# KiCad board panel-hacker-14-black.kicad_pcb (continued)
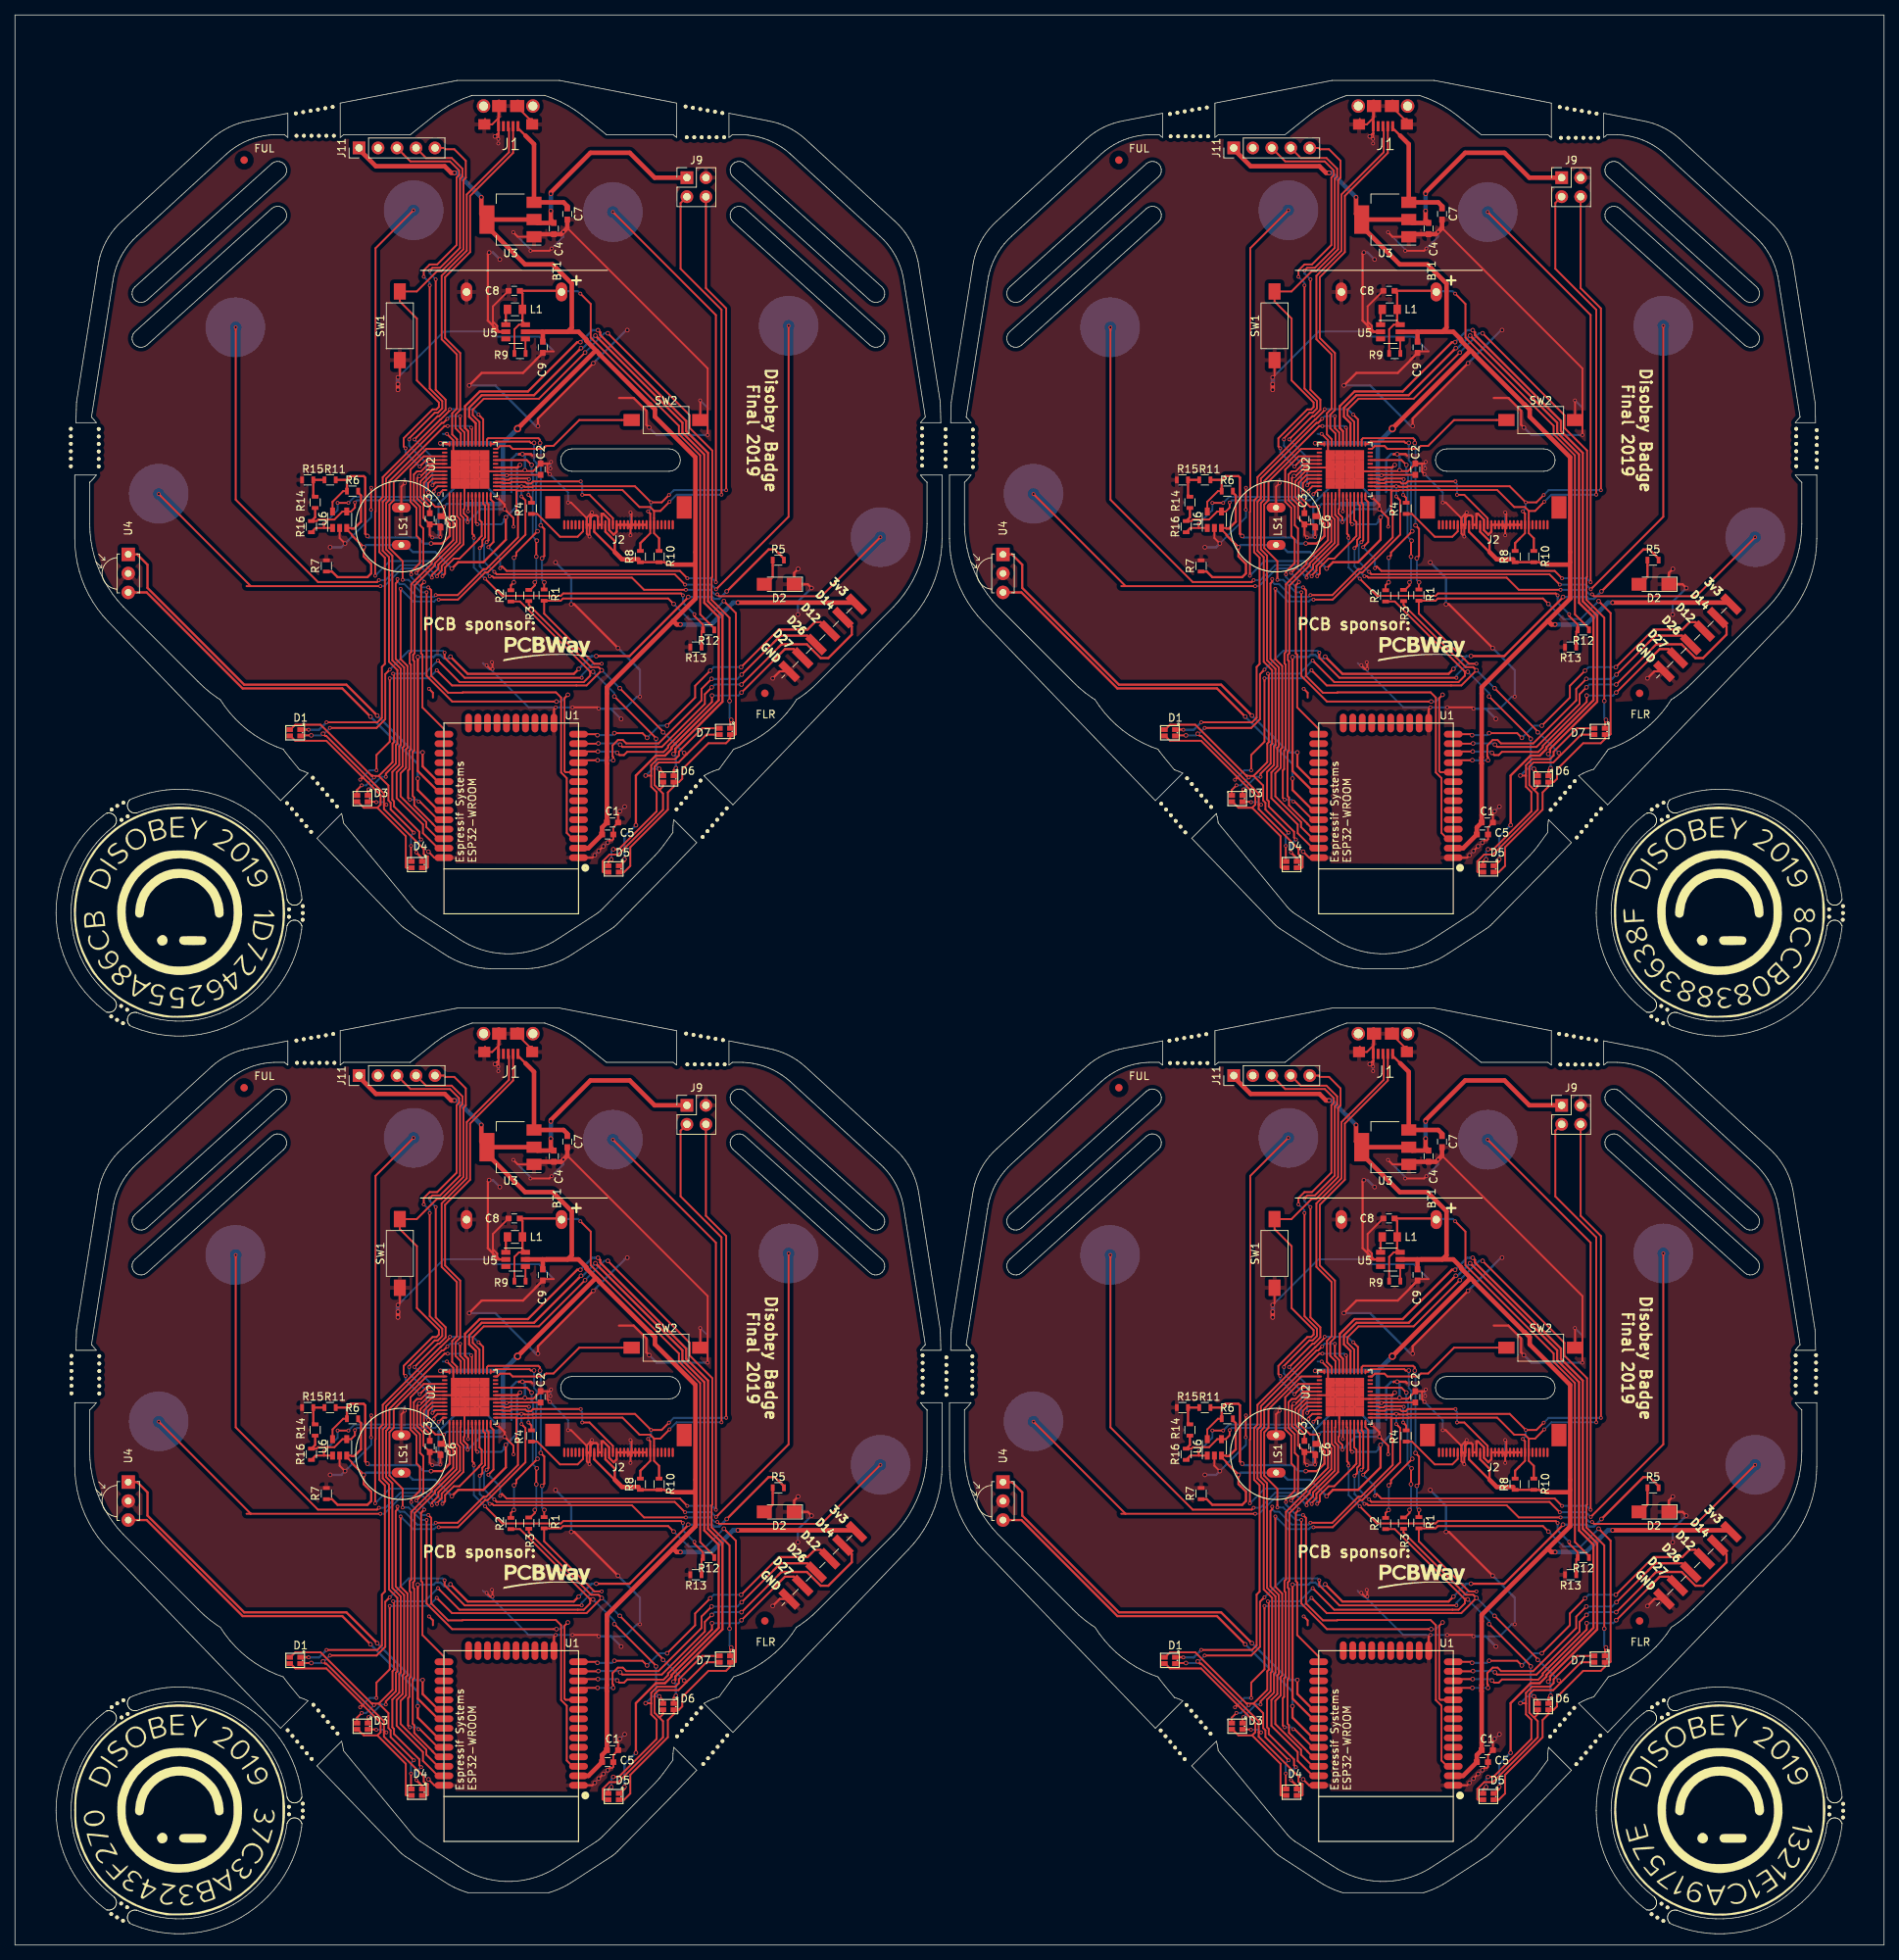
[diagram p0: board, top side]
## Routing (per net, layer and track width the routed paths; a pad name or vN(x,y) marks a point on that pad's centre or on a via; arc(x,y) is an arc through that point) (continued)
GND: length 1704.8
  Top w0.25: 175.95,196.61 175.95,197.89 ; 175.95,197.89 179.42,197.89 179.81,197.5 179.81,196.61 ; 175.95,197.89 178.52,197.89 179.81,197.89 179.81,199.18 178.52,199.18 177.24,199.18 175.95,199.18 175.95,197.89 ; 58.95,72.61 58.95,73.89 ; 58.95,73.89 62.42,73.89 62.81,73.5 62.81,72.61 ; 58.95,73.89 61.52,73.89 62.81,73.89 62.81,75.18 61.52,75.18 60.24,75.18 58.95,75.18 58.95,73.89 ; 175.95,72.61 175.95,73.89 ; 175.95,73.89 179.42,73.89 179.81,73.5 179.81,72.61 ; 175.95,73.89 178.52,73.89 179.81,73.89 179.81,75.18 178.52,75.18 177.24,75.18 175.95,75.18 175.95,73.89 ; 179.81,195.32 178.52,196.61 178.52,195.32 177.24,195.32 175.95,195.32 ; 62.81,71.32 61.52,72.61 61.52,71.32 60.24,71.32 58.95,71.32 ; 179.81,71.32 178.52,72.61 178.52,71.32 177.24,71.32 175.95,71.32 ; v1(164.63,191.88) 164.63,194.78 v1(164.65,194.8) ; v1(47.63,67.88) 47.63,70.77 v1(47.65,70.8) ; v1(164.63,67.88) 164.63,70.77 v1(164.65,70.8) ; C3#2.2 172.48,189.92 171.63,190.78 171.63,192.53 170.8,193.36 170.8,196.09 v2(171.08,196.37) 171.33,196.37 172.46,197.5 176.34,197.5 177.24,196.61 ; C3#2.2 172.48,188.5 v1(172.83,188.15) ; C3#2.2 174.03,189.9 174.08,189.85 173.9,189.67 v1(173.9,188.22) ; C3#3.2 55.48,65.92 54.63,66.78 54.63,68.53 53.8,69.36 53.8,72.09 v2(54.08,72.37) 54.33,72.37 55.46,73.5 U2#3.42 59.34,73.5 60.24,72.61 ; C3#3.2 55.48,64.5 v1(55.83,64.15) ; C3#3.2 57.03,65.9 57.08,65.85 56.9,65.67 v1(56.9,64.22) ; C3#4.2 172.48,65.92 171.63,66.78 171.63,68.53 170.8,69.36 170.8,72.09 v2(171.08,72.37) 171.33,72.37 172.46,73.5 U2#4.42 176.34,73.5 177.24,72.61 ; C3#4.2 172.48,64.5 v1(172.83,64.15) ; C3#4.2 174.03,65.9 174.08,65.85 173.9,65.67 v1(173.9,64.22) ; v1(183.68,189.6) 183.68,190.75 182.8,191.63 182.8,191.65 v2(182.5,191.95) ; v1(66.68,65.6) 66.68,66.75 65.8,67.63 65.8,67.65 v2(65.5,67.95) ; v1(183.68,65.6) 183.68,66.75 182.8,67.63 182.8,67.65 v2(182.5,67.95) ; v1(177.55,190.2) 177.55,190.84 177.03,191.36 177.03,191.91 177.13,192.01 U2#2.5 177.13,195.61 177.24,195.71 177.24,196.61 ; v1(60.55,66.2) 60.55,66.84 60.03,67.36 60.03,67.91 60.13,68.01 U2#3.5 60.13,71.61 60.24,71.71 60.24,72.61 ; v1(177.55,66.2) 177.55,66.84 177.03,67.36 177.03,67.91 177.13,68.01 U2#4.5 177.13,71.61 177.24,71.71 177.24,72.61 ; LS1#2.2 168.68,194.95 v1(169.15,195.42) ; LS1#3.2 51.68,70.95 v1(52.15,71.42) ; LS1#4.2 168.68,70.95 v1(169.15,71.42) ; U6#2.2 160.43,188.07 v2(161.15,187.35) ; U6#3.2 43.43,64.07 v2(44.15,63.35) ; U6#4.2 160.43,64.07 v2(161.15,63.35) ; C8#2.2 183,221.12 180.93,219.05 180.93,216.12 181.4,215.65 U5#2.2 181.8,215.65 181.5,215.94 181.5,216.44 180.99,216.95 ; C8#3.2 66,97.12 63.93,95.05 63.93,92.12 64.4,91.65 U5#3.2 64.8,91.65 64.5,91.94 64.5,92.44 63.99,92.95 ; C8#4.2 183,97.12 180.93,95.05 180.93,92.12 181.4,91.65 U5#4.2 181.8,91.65 181.5,91.94 181.5,92.44 180.99,92.95 ; 184.06,245.83 185.79,244.1 186.18,244.1 ; 67.06,121.83 68.79,120.1 69.18,120.1 ; 184.06,121.83 185.79,120.1 186.18,120.1 ; 179.84,243.06 179.88,243.1 179.88,244.1 ; 62.84,119.06 62.88,119.1 62.88,120.1 ; 179.84,119.06 179.88,119.1 179.88,120.1 ; J1#2.5 180.83,243.38 181.78,244.32 J1#2.5 181.68,245.72 J1#2.5 ; J1#3.5 63.83,119.38 64.78,120.32 J1#3.5 64.68,121.72 J1#3.5 ; J1#4.5 180.83,119.38 181.78,120.32 J1#4.5 181.68,121.72 J1#4.5 ; 181.6,242.08 181.52,242.08 v2(181.21,241.76) 181.31,241.76 v1(181.65,241.43) 181.68,241.45 181.68,246.45 181.78,246.55 181.63,246.55 ; 181.6,242.08 181.65,242.12 181.68,242.12 ; 181.6,242.08 181.7,242.18 181.7,242.27 ; 64.6,118.08 64.52,118.08 v2(64.21,117.76) 64.31,117.76 v1(64.65,117.42) 64.68,117.45 64.68,122.45 64.78,122.55 64.63,122.55 ; 64.6,118.08 64.65,118.12 64.68,118.12 ; 64.6,118.08 64.7,118.18 64.7,118.27 ; 181.6,118.08 181.52,118.08 v2(181.21,117.76) 181.31,117.76 v1(181.65,117.42) 181.68,117.45 181.68,122.45 181.78,122.55 181.63,122.55 ; 181.6,118.08 181.65,118.12 181.68,118.12 ; 181.6,118.08 181.7,118.18 181.7,118.27 ; v1(188.7,198.26) 188.45,198.01 188.22,198.01 188.2,198.03 ; v1(71.7,74.26) 71.45,74.01 71.22,74.01 71.2,74.02 ; v1(188.7,74.26) 188.45,74.01 188.22,74.01 188.2,74.02 ; 188.2,198.03 188.2,196.95 v1(188.53,196.62) ; 188.2,198.03 C2#2.2 187.3,198 186.33,197.02 181.9,197.02 181.88,197 U2#2.18 177.63,197 177.24,196.61 ; 71.2,74.02 71.2,72.95 v1(71.53,72.62) ; 71.2,74.02 C2#3.2 70.3,74 69.33,73.02 64.9,73.02 64.88,73 U2#3.18 60.63,73 60.24,72.61 ; 188.2,74.02 188.2,72.95 v1(188.53,72.62) ; 188.2,74.02 C2#4.2 187.3,74 186.33,73.02 181.9,73.02 181.88,73 U2#4.18 177.63,73 177.24,72.61 ; v1(174.78,202) 175.63,201.15 U2#2.35 175.63,198.61 176.34,197.89 177.24,197.89 ; v1(57.78,78) 58.63,77.15 U2#3.35 58.63,74.61 59.34,73.89 60.24,73.89 ; v1(174.78,78) 175.63,77.15 U2#4.35 175.63,74.61 176.34,73.89 177.24,73.89 ; v1(180.08,171.07) 180.58,170.57 v1(180.88,170.57) 180.88,171.4 v1(180.8,171.47) ; v1(63.08,47.07) 63.58,46.57 v1(63.88,46.57) 63.88,47.4 v1(63.8,47.47) ; v1(180.08,47.07) 180.58,46.57 v1(180.88,46.57) 180.88,47.4 v1(180.8,47.47) ; v1(191.58,165.45) 194.9,165.45 v1(195.08,165.28) ; v1(74.58,41.45) 77.9,41.45 v1(78.08,41.28) ; v1(191.58,41.45) 194.9,41.45 v1(195.08,41.28) ; U1#2.15 189.09,165.22 v1(189.33,165.45) ; U1#3.15 72.09,41.22 v1(72.33,41.45) ; U1#4.15 189.09,41.22 v1(189.33,41.45) ; 184.18,246.55 184.33,246.55 ; 67.18,122.55 67.33,122.55 ; 184.18,122.55 184.33,122.55 ; v1(190.98,192.82) 191.38,192.82 193.48,190.72 J2#2.7 ; v1(73.98,68.82) 74.38,68.82 76.48,66.72 J2#3.7 ; v1(190.98,68.82) 191.38,68.82 193.48,66.72 J2#4.7 ; J2#2.7 193.48,190.8 v1(194.18,191.5) 193.98,191.3 J2#2.8 ; J2#2.7 193.48,188.65 v1(193.85,188.28) 193.85,189.7 193.7,189.85 ; J2#3.7 76.48,66.8 v1(77.18,67.5) 76.98,67.3 J2#3.8 ; J2#3.7 76.48,64.65 v1(76.85,64.28) 76.85,65.7 76.7,65.85 ; J2#4.7 193.48,66.8 v1(194.18,67.5) 193.98,67.3 J2#4.8 ; J2#4.7 193.48,64.65 v1(193.85,64.28) 193.85,65.7 193.7,65.85 ; v1(185.95,226.47) 188.48,226.47 v1(188.78,226.78) ; v1(68.95,102.47) 71.48,102.47 v1(71.78,102.77) ; v1(185.95,102.47) 188.48,102.47 v1(188.78,102.77) ; 186.43,228.35 184.25,228.35 v1(183.65,228.95) ; U3#3.1 67.25,104.35 v1(66.65,104.95) ; U3#4.1 184.25,104.35 v1(183.65,104.95) ; v1(209.65,201.85) 209.65,210.75 190.88,229.52 ; v1(92.65,77.85) 92.65,86.75 73.88,105.52 ; v1(209.65,77.85) 209.65,86.75 190.88,105.52 ; SW2#2.2 208.67,206.46 v1(208.65,206.47) ; SW2#3.2 91.67,82.46 v1(91.65,82.47) ; SW2#4.2 208.67,82.46 v1(208.65,82.47) ; v1(199.33,188.45) 199.33,189.5 J2#2.18 ; v1(82.33,64.45) 82.33,65.5 J2#3.18 ; v1(199.33,64.45) 199.33,65.5 J2#4.18 ; J2#2.19 199.48,191.35 v1(199.33,191.5) ; J2#3.19 82.48,67.35 v1(82.33,67.5) ; J2#4.19 199.48,67.35 v1(199.33,67.5) ; 168.48,211.86 168.48,209.8 v2(168.23,209.55) ; SW1#3.1 51.48,85.8 v2(51.23,85.55) ; SW1#4.1 168.48,85.8 v2(168.23,85.55) ; 189.08,213.03 187.75,213.03 186.6,211.88 ; 72.08,89.02 70.75,89.02 69.6,87.88 ; 189.08,89.02 187.75,89.02 186.6,87.88 ; U1#2.38 173.1,145.35 v2(172.3,146.15) ; U1#3.38 56.1,21.35 v2(55.3,22.15) ; U1#4.38 173.1,21.35 v2(172.3,22.15) ; v2(197.9,151.55) 197.68,151.32 C1#2.2 197.03,149.4 C5#2.2 197.03,147.82 196.88,147.67 196.58,147.67 v2(196.28,147.38) ; v2(80.9,27.55) 80.68,27.32 C1#3.2 80.03,25.4 C5#3.2 80.03,23.82 79.88,23.67 79.58,23.67 v2(79.28,23.38) ; v2(197.9,27.55) 197.68,27.32 C1#4.2 197.03,25.4 C5#4.2 197.03,23.82 196.88,23.67 196.58,23.67 v2(196.28,23.38) ; v2(195.08,146.25) v2(195.7,146.88) ; v2(78.08,22.25) v2(78.7,22.88) ; v2(195.08,22.25) v2(195.7,22.88) ; U1#2.1 194.23,145.35 v2(194.55,145.68) ; U1#3.1 77.23,21.35 v2(77.55,21.67) ; U1#4.1 194.23,21.35 v2(194.55,21.67) ; U1.15 72.09,165.22 v1(72.33,165.45) ; v2(79.28,147.38) 79.58,147.67 79.88,147.67 80.03,147.82 C5.2 80.03,149.4 C1.2 80.68,151.32 v2(80.9,151.55) ; 71.2,198.03 71.22,198.01 71.45,198.01 v1(71.7,198.26) ; 71.2,198.03 71.2,196.95 v1(71.53,196.62) ; 71.2,198.03 C2.2 70.3,198 69.33,197.02 64.9,197.02 64.88,197 U2.18 60.63,197 60.24,196.61 ; v1(57.78,202) 58.63,201.15 U2.35 58.63,198.61 59.34,197.89 60.24,197.89 ; J2.7 76.48,188.65 v1(76.85,188.28) 76.85,189.7 76.7,189.85 ; J2.7 76.48,190.8 v1(77.18,191.5) 76.98,191.3 J2.8 ; J2.7 76.48,190.72 74.38,192.82 v1(73.98,192.82) ; J2.18 82.33,189.5 v1(82.33,188.45) ; 64.63,246.55 64.78,246.55 64.68,246.45 64.68,241.45 v1(64.65,241.43) 64.31,241.76 v2(64.21,241.76) 64.52,242.08 64.6,242.08 ; C3.2 57.03,189.9 57.08,189.85 56.9,189.67 v1(56.9,188.22) ; C3.2 55.48,188.5 v1(55.83,188.15) ; C3.2 55.48,189.92 54.63,190.78 54.63,192.53 53.8,193.36 53.8,196.09 v2(54.08,196.37) 54.33,196.37 55.46,197.5 59.34,197.5 60.24,196.61 ; 63.99,216.95 64.5,216.44 64.5,215.94 64.8,215.65 U5.2 64.4,215.65 63.93,216.12 63.93,219.05 66,221.12 C8.2 ; SW2.2 91.67,206.46 v1(91.65,206.47) ; 51.48,211.86 51.48,209.8 v2(51.23,209.55) ; 64.68,242.12 64.65,242.12 64.6,242.08 ; U6.2 43.43,188.07 v2(44.15,187.35) ; 60.24,196.61 60.24,195.71 60.13,195.61 U2.5 60.13,192.01 60.03,191.91 60.03,191.36 60.55,190.84 v1(60.55,190.2) ; v1(63.8,171.47) 63.88,171.4 v1(63.88,170.57) 63.58,170.57 v1(63.08,171.07) ; 64.6,242.08 64.7,242.18 64.7,242.27 ; 73.88,229.52 92.65,210.75 v1(92.65,201.85) ; LS1.2 51.68,194.95 v1(52.15,195.42) ; 58.95,195.32 60.24,195.32 61.52,195.32 61.52,196.61 62.81,195.32 ; v1(47.63,191.88) 47.63,194.78 v1(47.65,194.8) ; 58.95,196.61 58.95,197.89 ; 58.95,197.89 58.95,199.18 60.24,199.18 61.52,199.18 62.81,199.18 62.81,197.89 61.52,197.89 58.95,197.89 ; 58.95,197.89 62.42,197.89 62.81,197.5 62.81,196.61 ; v1(71.78,226.78) 71.48,226.47 v1(68.95,226.47) ; 62.88,244.1 62.88,243.1 62.84,243.06 ; 72.08,213.03 70.75,213.03 69.6,211.88 ; U1.38 56.1,145.35 v2(55.3,146.15) ; 67.18,246.55 67.33,246.55 ; 67.06,245.83 68.79,244.1 69.18,244.1 ; v1(66.65,228.95) 67.25,228.35 69.43,228.35 ; v2(77.55,145.68) 77.23,145.35 U1.1 ; v2(78.08,146.25) v2(78.7,146.88) ; J1.5 64.68,245.72 J1.5 64.78,244.32 63.83,243.38 J1.5 ; v1(78.08,165.28) 77.9,165.45 v1(74.58,165.45) ; J2.19 82.48,191.35 v1(82.33,191.5) ; v1(66.68,189.6) 66.68,190.75 65.8,191.63 65.8,191.65 v2(65.5,191.95)
  Top w0.3: 197.8,206.8 199.75,206.8 201.45,205.1 201.45,203.22 v2(201.83,202.85) ; 80.8,82.8 82.75,82.8 84.45,81.1 84.45,79.22 v2(84.83,78.85) ; 197.8,82.8 199.75,82.8 201.45,81.1 201.45,79.22 v2(201.83,78.85) ; v2(186.95,203.05) 186.95,204.05 v2(194.35,211.45) ; v2(69.95,79.05) 69.95,80.05 v2(77.35,87.45) ; v2(186.95,79.05) 186.95,80.05 v2(194.35,87.45) ; v2(223.55,181.4) 223.05,181.9 D2#2.1 221.23,183.42 v2(221.75,183.95) ; v2(106.55,57.4) 106.05,57.9 D2#3.1 104.23,59.42 v2(104.75,59.95) ; v2(223.55,57.4) 223.05,57.9 D2#4.1 221.23,59.42 v2(221.75,59.95) ; v2(197.65,173.38) 191.8,179.22 v2(191.4,179.22) ; v2(80.65,49.38) 74.8,55.22 v2(74.4,55.22) ; v2(197.65,49.38) 191.8,55.22 v2(191.4,55.22) ; v2(182.5,191.95) 182.5,192.55 v2(181.5,193.55) ; v2(65.5,67.95) 65.5,68.55 v2(64.5,69.55) ; v2(182.5,67.95) 182.5,68.55 v2(181.5,69.55) ; 186.2,199.1 186,199.3 v2(184.88,199.3) 184.45,199.3 184.4,199.25 ; 69.2,75.1 69,75.3 v2(67.88,75.3) 67.45,75.3 67.4,75.25 ; 186.2,75.1 186,75.3 v2(184.88,75.3) 184.45,75.3 184.4,75.25 ; 185.2,197.02 v2(185.2,197.15) ; 68.2,73.02 v2(68.2,73.15) ; 185.2,73.02 v2(185.2,73.15) ; v2(177.75,208.47) 179.43,210.15 184.95,210.15 187.6,212.8 C9#2.2 ; v2(60.75,84.47) 62.43,86.15 67.95,86.15 70.6,88.8 C9#3.2 ; v2(177.75,84.47) 179.43,86.15 184.95,86.15 187.6,88.8 C9#4.2 ; v2(180.43,226.25) 180.25,226.07 180.25,217.14 181.75,215.65 U5#2.2 ; v2(63.43,102.25) 63.25,102.07 63.25,93.14 64.75,91.65 U5#3.2 ; v2(180.43,102.25) 180.25,102.07 180.25,93.14 181.75,91.65 U5#4.2 ; J10#2.6 219.29,170.26 v2(218.35,169.32) ; J10#3.6 102.29,46.26 v2(101.35,45.32) ; J10#4.6 219.29,46.26 v2(218.35,45.32) ; 161.1,187.4 v2(161.15,187.35) ; 44.1,63.4 v2(44.15,63.35) ; 161.1,63.4 v2(161.15,63.35) ; J2#2.7 J2#2.8 193.98,190.78 194.3,191.1 194.78,191.1 194.98,190.9 J2#2.10 J2#2.11 195.48,191.33 195.68,191.33 196.48,190.53 J2#2.13 196.48,189.13 197.08,188.53 197.48,188.92 J2#2.15 J2#2.16 J2#2.17 J2#2.18 J2#2.19 J2#2.20 J2#2.21 J2#2.22 201.48,189.85 ; J2#3.7 J2#3.8 76.98,66.78 77.3,67.1 77.78,67.1 77.98,66.9 J2#3.10 J2#3.11 78.48,67.33 78.68,67.33 79.48,66.53 J2#3.13 79.48,65.13 80.08,64.53 80.48,64.92 J2#3.15 J2#3.16 J2#3.17 J2#3.18 J2#3.19 J2#3.20 J2#3.21 J2#3.22 J2#3.23 ; J2#4.7 J2#4.8 193.98,66.78 194.3,67.1 194.78,67.1 194.98,66.9 J2#4.10 J2#4.11 195.48,67.33 195.68,67.33 196.48,66.53 J2#4.13 196.48,65.13 197.08,64.53 197.48,64.92 J2#4.15 J2#4.16 J2#4.17 J2#4.18 J2#4.19 J2#4.20 J2#4.21 J2#4.22 J2#4.23 ; v2(63.43,226.25) 63.25,226.07 63.25,217.14 64.75,215.65 U5.2 ; 84.48,189.85 J2.22 J2.21 J2.20 J2.19 J2.18 J2.17 J2.16 J2.15 80.48,188.92 80.08,188.53 79.48,189.13 J2.13 79.48,190.53 78.68,191.33 78.48,191.33 J2.11 J2.10 77.98,190.9 77.78,191.1 77.3,191.1 76.98,190.78 J2.8 J2.7 ; 67.4,199.25 67.45,199.3 v2(67.88,199.3) 69,199.3 69.2,199.1 ; v2(77.35,211.45) 69.95,204.05 v2(69.95,203.05) ; 80.8,206.8 82.75,206.8 84.45,205.1 84.45,203.22 v2(84.83,202.85) ; J10.6 102.29,170.26 v2(101.35,169.32) ; v2(60.75,208.47) 62.43,210.15 67.95,210.15 70.6,212.8 C9.2 ; 68.2,197.02 v2(68.2,197.15) ; v2(65.5,191.95) 65.5,192.55 v2(64.5,193.55) ; 44.1,187.4 v2(44.15,187.35) ; v2(106.55,181.4) 106.05,181.9 D2.1 104.23,183.42 v2(104.75,183.95) ; v2(80.65,173.38) 74.8,179.22 v2(74.4,179.22)
  Top w0.6: v2(168.23,208.65) v2(168.23,207.9) ; v2(51.23,84.65) v2(51.23,83.9) ; v2(168.23,84.65) v2(168.23,83.9) ; 186.43,228.35 186.78,228.7 C4#2.2 190.05,228.7 190.88,229.52 C7#2.2 ; U3#3.1 69.78,104.7 C4#3.2 73.05,104.7 73.88,105.52 C7#3.2 ; U3#4.1 186.78,104.7 C4#4.2 190.05,104.7 190.88,105.52 C7#4.2 ; C7.2 73.88,229.52 73.05,228.7 C4.2 69.78,228.7 69.43,228.35 ; v2(51.23,208.65) v2(51.23,207.9)
  Bottom w0.25: v1(164.63,191.88) 164.65,191.85 164.65,190.85 v2(161.15,187.35) ; v1(47.63,67.88) 47.65,67.85 47.65,66.85 v2(44.15,63.35) ; v1(164.63,67.88) 164.65,67.85 164.65,66.85 v2(161.15,63.35) ; v1(169.15,195.42) 169.15,196 ; v1(52.15,71.42) 52.15,72 ; v1(169.15,71.42) 169.15,72 ; v1(188.7,198.26) 188.62,198.17 v1(188.62,197.38) ; v1(71.7,74.26) 71.62,74.17 v1(71.62,73.38) ; v1(188.7,74.26) 188.62,74.17 v1(188.62,73.38) ; v1(188.53,196.62) 190.98,194.18 v1(190.98,192.82) ; v1(71.53,72.62) 73.98,70.18 v1(73.98,68.82) ; v1(188.53,72.62) 190.98,70.18 v1(190.98,68.82) ; v1(177.55,190.2) 177.23,190.53 177.23,190.6 ; v1(60.55,66.2) 60.23,66.53 60.23,66.6 ; v1(177.55,66.2) 177.23,66.53 177.23,66.6 ; v1(174.78,202) 174.23,202 ; v1(57.78,78) 57.23,78 ; v1(174.78,78) 174.23,78 ; v1(180.08,171.07) 185.7,165.45 v1(189.33,165.45) v1(191.58,165.45) ; v1(63.08,47.07) 68.7,41.45 v1(72.33,41.45) v1(74.58,41.45) ; v1(180.08,47.07) 185.7,41.45 v1(189.33,41.45) v1(191.58,41.45) ; 179.58,171.38 180.38,170.57 v1(180.88,170.57) ; 62.58,47.38 63.38,46.57 v1(63.88,46.57) ; 179.58,47.38 180.38,46.57 v1(180.88,46.57) ; v1(200.6,166.88) 200.2,166.88 198.6,165.28 v1(195.08,165.28) ; v1(83.6,42.88) 83.2,42.88 81.6,41.28 v1(78.08,41.28) ; v1(200.6,42.88) 200.2,42.88 198.6,41.28 v1(195.08,41.28) ; v1(172.83,188.15) 173.83,188.15 v1(173.9,188.22) ; v1(55.83,64.15) 56.83,64.15 v1(56.9,64.22) ; v1(172.83,64.15) 173.83,64.15 v1(173.9,64.22) ; v1(188.78,226.78) 190.35,228.35 v1(190.35,229) ; v1(71.78,102.77) 73.35,104.35 v1(73.35,105) ; v1(188.78,102.77) 190.35,104.35 v1(190.35,105) ; v1(183.65,228.95) 185.95,226.65 v1(185.95,226.47) ; v1(66.65,104.95) 68.95,102.65 v1(68.95,102.47) ; v1(183.65,104.95) 185.95,102.65 v1(185.95,102.47) ; v1(181.65,241.43) v1(181.65,240.82) ; v1(64.65,117.42) v1(64.65,116.82) ; v1(181.65,117.42) v1(181.65,116.82) ; v1(208.65,206.47) 209.65,205.47 v1(209.65,201.85) ; v1(91.65,82.47) 92.65,81.47 v1(92.65,77.85) ; v1(208.65,82.47) 209.65,81.47 v1(209.65,77.85) ; v1(199.33,191.5) v1(199.33,188.45) ; v1(82.33,67.5) v1(82.33,64.45) ; v1(199.33,67.5) v1(199.33,64.45) ; v1(194.18,191.5) 193.85,191.17 v1(193.85,188.28) ; v1(77.18,67.5) 76.85,67.17 v1(76.85,64.28) ; v1(194.18,67.5) 193.85,67.17 v1(193.85,64.28) ; v2(168.23,209.55) 174.35,215.67 181.08,215.67 181.08,216.22 181.05,216.25 ; v2(51.23,85.55) 57.35,91.67 64.08,91.67 64.08,92.22 64.05,92.25 ; v2(168.23,85.55) 174.35,91.67 181.08,91.67 181.08,92.22 181.05,92.25 ; v2(197.9,151.55) 197.93,151.55 v2(198.55,152.18) ; v2(80.9,27.55) 80.93,27.55 v2(81.55,28.17) ; v2(197.9,27.55) 197.93,27.55 v2(198.55,28.17) ; v2(195.7,146.88) 195.78,146.88 v2(196.28,147.38) ; v2(78.7,22.88) 78.78,22.88 v2(79.28,23.38) ; v2(195.7,22.88) 195.78,22.88 v2(196.28,23.38) ; v2(194.55,145.68) 194.55,145.72 v2(195.08,146.25) ; v2(77.55,21.67) 77.55,21.72 v2(78.08,22.25) ; v2(194.55,21.67) 194.55,21.72 v2(195.08,22.25) ; v1(71.53,196.62) 73.98,194.18 v1(73.98,192.82) ; v1(73.35,229) 73.35,228.35 v1(71.78,226.78) ; v1(52.15,195.42) 52.15,196 ; v1(47.63,191.88) 47.65,191.85 47.65,190.85 v2(44.15,187.35) ; v1(63.88,170.57) 63.38,170.57 62.58,171.38 ; v1(91.65,206.47) 92.65,205.47 v1(92.65,201.85) ; v1(83.6,166.88) 83.2,166.88 81.6,165.28 v1(78.08,165.28) ; v1(63.08,171.07) 68.7,165.45 v1(72.33,165.45) v1(74.58,165.45) ; v1(56.9,188.22) 56.83,188.15 v1(55.83,188.15) ; 64.05,216.25 64.08,216.22 64.08,215.67 57.35,215.67 v2(51.23,209.55) ; v2(79.28,147.38) 78.78,146.88 v2(78.7,146.88) ; v1(71.62,197.38) 71.62,198.17 v1(71.7,198.26) ; v1(57.78,202) 57.23,202 ; v2(77.55,145.68) 77.55,145.72 v2(78.08,146.25) ; v1(66.65,228.95) 68.95,226.65 v1(68.95,226.47) ; v1(82.33,191.5) v1(82.33,188.45) ; v2(80.9,151.55) 80.93,151.55 v2(81.55,152.18) ; 60.23,190.6 60.23,190.53 v1(60.55,190.2) ; v1(76.85,188.28) 76.85,191.17 v1(77.18,191.5) ; v1(64.65,241.43) v1(64.65,240.82)
  Bottom w0.3: 177.15,196.35 177.15,196.14 173.65,192.64 173.65,188.47 v1(173.9,188.22) ; 60.15,72.35 60.15,72.14 56.65,68.64 56.65,64.47 v1(56.9,64.22) ; 177.15,72.35 177.15,72.14 173.65,68.64 173.65,64.47 v1(173.9,64.22) ; v1(177.55,190.2) 179.3,191.95 v2(182.5,191.95) ; v1(60.55,66.2) 62.3,67.95 v2(65.5,67.95) ; v1(177.55,66.2) 179.3,67.95 v2(182.5,67.95) ; v1(209.65,201.85) 202.83,201.85 v2(201.83,202.85) ; v1(92.65,77.85) 85.83,77.85 v2(84.83,78.85) ; v1(209.65,77.85) 202.83,77.85 v2(201.83,78.85) ; v2(194.35,211.45) 198.78,215.88 v2(198.9,215.88) ; v2(77.35,87.45) 81.78,91.88 v2(81.9,91.88) ; v2(194.35,87.45) 198.78,91.88 v2(198.9,91.88) ; v2(186.95,203.05) 186.68,203.05 181.25,208.47 v2(177.75,208.47) ; v2(69.95,79.05) 69.68,79.05 64.25,84.47 v2(60.75,84.47) ; v2(186.95,79.05) 186.68,79.05 181.25,84.47 v2(177.75,84.47) ; v2(223.55,181.4) 221.73,179.57 v2(221.73,177.85) ; v2(106.55,57.4) 104.73,55.57 v2(104.73,53.85) ; v2(223.55,57.4) 221.73,55.57 v2(221.73,53.85) ; v2(191.4,179.22) 191.4,182.72 v2(189.3,184.82) ; v2(74.4,55.22) 74.4,58.72 v2(72.3,60.82) ; v2(191.4,55.22) 191.4,58.72 v2(189.3,60.82) ; v1(200.6,166.88) 200.6,170.42 v2(197.65,173.38) ; v1(83.6,42.88) 83.6,46.42 v2(80.65,49.38) ; v1(200.6,42.88) 200.6,46.42 v2(197.65,49.38) ; v1(195.08,165.28) 196.7,165.28 v2(198.08,163.9) ; v1(78.08,41.28) 79.7,41.28 v2(81.08,39.9) ; v1(195.08,41.28) 196.7,41.28 v2(198.08,39.9) ; v2(181.5,193.55) 179.28,195.78 ; v2(64.5,69.55) 62.28,71.77 ; v2(181.5,69.55) 179.28,71.77 ; 183.4,194.2 183.4,198.62 184.08,199.3 v2(184.88,199.3) 185.2,198.97 v2(185.2,197.15) ; 66.4,70.2 66.4,74.62 67.08,75.3 v2(67.88,75.3) 68.2,74.97 v2(68.2,73.15) ; 183.4,70.2 183.4,74.62 184.08,75.3 v2(184.88,75.3) 185.2,74.97 v2(185.2,73.15) ; v2(180.43,226.25) 180.93,226.25 v2(181.85,225.32) ; v2(63.43,102.25) 63.93,102.25 v2(64.85,101.32) ; v2(180.43,102.25) 180.93,102.25 v2(181.85,101.32) ; v2(159.15,186.85) 160.65,186.85 v2(161.15,187.35) ; v2(42.15,62.85) 43.65,62.85 v2(44.15,63.35) ; v2(159.15,62.85) 160.65,62.85 v2(161.15,63.35) ; v2(81.08,163.9) 79.7,165.28 v1(78.08,165.28) ; v2(74.4,179.22) 74.4,182.72 v2(72.3,184.82) ; v2(44.15,187.35) 43.65,186.85 v2(42.15,186.85) ; v2(69.95,203.05) 69.68,203.05 64.25,208.47 v2(60.75,208.47) ; v2(80.65,173.38) 83.6,170.42 v1(83.6,166.88) ; v2(68.2,197.15) 68.2,198.97 v2(67.88,199.3) 67.08,199.3 66.4,198.62 66.4,194.2 ; v2(104.73,177.85) 104.73,179.57 v2(106.55,181.4) ; v2(63.43,226.25) 63.93,226.25 v2(64.85,225.32) ; v2(65.5,191.95) 62.3,191.95 v1(60.55,190.2) ; v1(92.65,201.85) 85.83,201.85 v2(84.83,202.85) ; v2(77.35,211.45) 81.78,215.88 v2(81.9,215.88) ; 60.15,196.35 60.15,196.14 56.65,192.64 56.65,188.47 v1(56.9,188.22) ; v2(64.5,193.55) 62.28,195.78
  Bottom w0.6: v2(168.23,209.55) v2(168.23,208.65) ; v2(51.23,85.55) v2(51.23,84.65) ; v2(168.23,85.55) v2(168.23,84.65) ; v2(51.23,209.55) v2(51.23,208.65)
(no net): length 40.9
  Top w0.25: 172.9,166.75 172.9,167.4 v1(172.38,167.92) ; 55.9,42.75 55.9,43.4 v1(55.38,43.92) ; 172.9,42.75 172.9,43.4 v1(172.38,43.92) ; 55.9,166.75 55.9,167.4 v1(55.38,167.92)
  Bottom w0.25: 181.05,215 187.1,215 189.08,213.03 ; 64.05,91 70.1,91 72.08,89.02 ; 181.05,91 187.1,91 189.08,89.02 ; 72.08,213.03 70.1,215 64.05,215
BACKLIGHT: length 31.9
  Top w0.25: v1(185.75,195.95) 185.67,196.03 183.21,196.03 183.05,195.87 182.5,195.87 182.38,196 U2#2.16 ; v1(68.75,71.95) 68.67,72.03 66.21,72.03 66.05,71.87 65.5,71.87 65.38,72 U2#3.16 ; v1(185.75,71.95) 185.67,72.03 183.21,72.03 183.05,71.87 182.5,71.87 182.38,72 U2#4.16 ; v1(185.68,193.85) 186.08,193.45 R4#2.1 ; v1(68.68,69.85) 69.08,69.45 R4#3.1 ; v1(185.68,69.85) 186.08,69.45 R4#4.1 ; v1(68.68,193.85) 69.08,193.45 R4.1 ; U2.16 65.38,196 65.5,195.87 66.05,195.87 66.21,196.03 68.67,196.03 v1(68.75,195.95)
  Bottom w0.25: v1(185.68,193.85) 185.68,195.88 v1(185.75,195.95) ; v1(68.68,69.85) 68.68,71.88 v1(68.75,71.95) ; v1(185.68,69.85) 185.68,71.88 v1(185.75,71.95) ; v1(68.75,195.95) 68.68,195.88 v1(68.68,193.85)
BAT+: length 281.7
  Top w0.25: R12#2.1 210.53,176 208.65,177.88 208.65,199.12 205.8,201.97 205.8,203.07 194.01,214.87 194.01,219.37 v1(192.63,220.75) ; R12#3.1 93.53,52 91.65,53.88 91.65,75.12 88.8,77.97 88.8,79.07 77.01,90.87 77.01,95.37 v1(75.63,96.75) ; R12#4.1 210.53,52 208.65,53.88 208.65,75.12 205.8,77.97 205.8,79.07 194.01,90.87 194.01,95.37 v1(192.63,96.75) ; R9#2.1 183.8,215.98 184.42,216.6 U5#2.6 ; R9#3.1 66.8,91.98 67.42,92.6 U5#3.6 ; R9#4.1 183.8,91.98 184.42,92.6 U5#4.6 ; v1(75.63,220.75) 77.01,219.37 77.01,214.87 88.8,203.07 88.8,201.97 91.65,199.12 91.65,177.88 93.53,176 R12.1 ; U5.6 67.42,216.6 66.8,215.98 R9.1
  Top w0.3: 190.23,221.06 190.17,221.12 C8#2.1 184.88,220.78 L1#2.1 184.88,217 U5#2.6 ; 73.23,97.06 73.17,97.12 C8#3.1 67.88,96.77 L1#3.1 67.88,93 U5#3.6 ; 190.23,97.06 190.17,97.12 C8#4.1 184.88,96.77 L1#4.1 184.88,93 U5#4.6 ; U5.6 67.88,217 L1.1 67.88,220.78 C8.1 73.17,221.12 73.23,221.06
  Bottom w0.25: 190.23,221.06 192.31,221.06 v1(192.63,220.75) ; 73.23,97.06 75.31,97.06 v1(75.63,96.75) ; 190.23,97.06 192.31,97.06 v1(192.63,96.75) ; v1(75.63,220.75) 75.31,221.06 73.23,221.06
ESPBL: length 168.9
  Top w0.25: v1(170.67,183.42) 171.62,184.37 171.62,189.35 171.18,189.79 171.18,192.28 170.35,193.11 170.35,196.57 170.78,197 171.32,197 172.32,198 174.48,198 ; v1(53.67,59.42) 54.62,60.37 54.62,65.35 54.18,65.79 54.18,68.28 53.35,69.11 53.35,72.57 53.78,73 54.32,73 55.32,74 U2#3.41 ; v1(170.67,59.42) 171.62,60.37 171.62,65.35 171.18,65.79 171.18,68.28 170.35,69.11 170.35,72.57 170.78,73 171.32,73 172.32,74 U2#4.41 ; v1(171.75,182.2) 171.32,181.78 171.32,172.65 171.5,172.48 171.5,165.43 174.38,162.56 U1#2.25 ; v1(54.75,58.2) 54.32,57.78 54.32,48.65 54.5,48.48 54.5,41.43 57.38,38.56 U1#3.25 ; v1(171.75,58.2) 171.32,57.78 171.32,48.65 171.5,48.48 171.5,41.43 174.38,38.56 U1#4.25 ; v1(53.67,183.42) 54.62,184.37 54.62,189.35 54.18,189.79 54.18,192.28 53.35,193.11 53.35,196.57 53.78,197 54.32,197 55.32,198 57.48,198 ; v1(54.75,182.2) 54.32,181.78 54.32,172.65 54.5,172.48 54.5,165.43 57.38,162.56 U1.25
  Bottom w0.25: v1(171.75,182.2) 171.75,182.35 v1(170.67,183.42) ; v1(54.75,58.2) 54.75,58.35 v1(53.67,59.42) ; v1(171.75,58.2) 171.75,58.35 v1(170.67,59.42) ; v1(53.67,183.42) 54.75,182.35 v1(54.75,182.2)
ESPRST: length 297.7
  Top w0.25: U2#2.39 171.68,199 169.9,197.22 169.9,192.92 170.72,192.1 170.72,188.38 171.17,187.93 171.17,184.73 170,183.57 v1(170,183.22) ; U2#3.39 54.68,75 52.9,73.22 52.9,68.92 53.72,68.1 53.72,64.38 54.17,63.93 54.17,60.73 53,59.57 v1(53,59.22) ; U2#4.39 171.68,75 169.9,73.22 169.9,68.92 170.72,68.1 170.72,64.38 171.17,63.93 171.17,60.73 170,59.57 v1(170,59.22) ; v1(172.29,181.49) 172.68,181.1 172.68,169.66 174.94,167.4 176.85,167.4 176.9,167.45 189.35,167.45 190.05,166.75 190.05,156.74 190.8,155.99 190.8,148.67 191.58,147.89 U1#2.3 ; v1(55.29,57.49) 55.68,57.1 55.68,45.66 57.94,43.4 59.85,43.4 59.9,43.45 72.35,43.45 73.05,42.75 73.05,32.74 73.8,31.99 73.8,24.67 74.58,23.89 U1#3.3 ; v1(172.29,57.49) 172.68,57.1 172.68,45.66 174.94,43.4 176.85,43.4 176.9,43.45 189.35,43.45 190.05,42.75 190.05,32.74 190.8,31.99 190.8,24.67 191.58,23.89 U1#4.3 ; v1(55.29,181.49) 55.68,181.1 55.68,169.66 57.94,167.4 59.85,167.4 59.9,167.45 72.35,167.45 73.05,166.75 73.05,156.74 73.8,155.99 73.8,148.67 74.58,147.89 U1.3 ; U2.39 54.68,199 52.9,197.22 52.9,192.92 53.72,192.1 53.72,188.38 54.17,187.93 54.17,184.73 53,183.57 v1(53,183.22)
  Bottom w0.25: v1(172.29,181.49) 171.38,181.49 170,182.86 v1(170,183.22) ; v1(55.29,57.49) 54.38,57.49 53,58.86 v1(53,59.22) ; v1(172.29,57.49) 171.38,57.49 170,58.86 v1(170,59.22) ; v1(55.29,181.49) 54.38,181.49 53,182.86 v1(53,183.22)
INT: length 283.2
  Top w0.25: U2#2.37 172.04,200 167.66,195.62 167.66,193.13 167.09,192.55 167.09,186.75 168.85,184.98 v1(168.85,182.49) ; U2#3.37 55.04,76 50.66,71.62 50.66,69.13 50.09,68.55 50.09,62.75 51.85,60.98 v1(51.85,58.49) ; U2#4.37 172.04,76 167.66,71.62 167.66,69.13 167.09,68.55 167.09,62.75 168.85,60.98 v1(168.85,58.49) ; v2(189.43,166.22) 175.48,166.22 172.06,169.64 v1(172.06,180.83) ; v2(72.43,42.22) 58.48,42.22 55.06,45.64 v1(55.06,56.83) ; v2(189.43,42.22) 175.48,42.22 172.06,45.64 v1(172.06,56.83) ; U1#2.10 190.65,156.78 190.5,156.93 190.5,166.67 v2(190.95,167.12) ; U1#3.10 73.65,32.78 73.5,32.92 73.5,42.67 v2(73.95,43.12) ; U1#4.10 190.65,32.78 190.5,32.92 190.5,42.67 v2(190.95,43.12) ; v2(73.95,167.12) 73.5,166.67 73.5,156.93 73.65,156.78 U1.10 ; v1(55.06,180.83) 55.06,169.64 58.48,166.22 v2(72.43,166.22) ; U2.37 55.04,200 50.66,195.62 50.66,193.13 50.09,192.55 50.09,186.75 51.85,184.98 v1(51.85,182.49)